# Altium PCB 01156.PcbDoc (part 2 of 3) (continued)
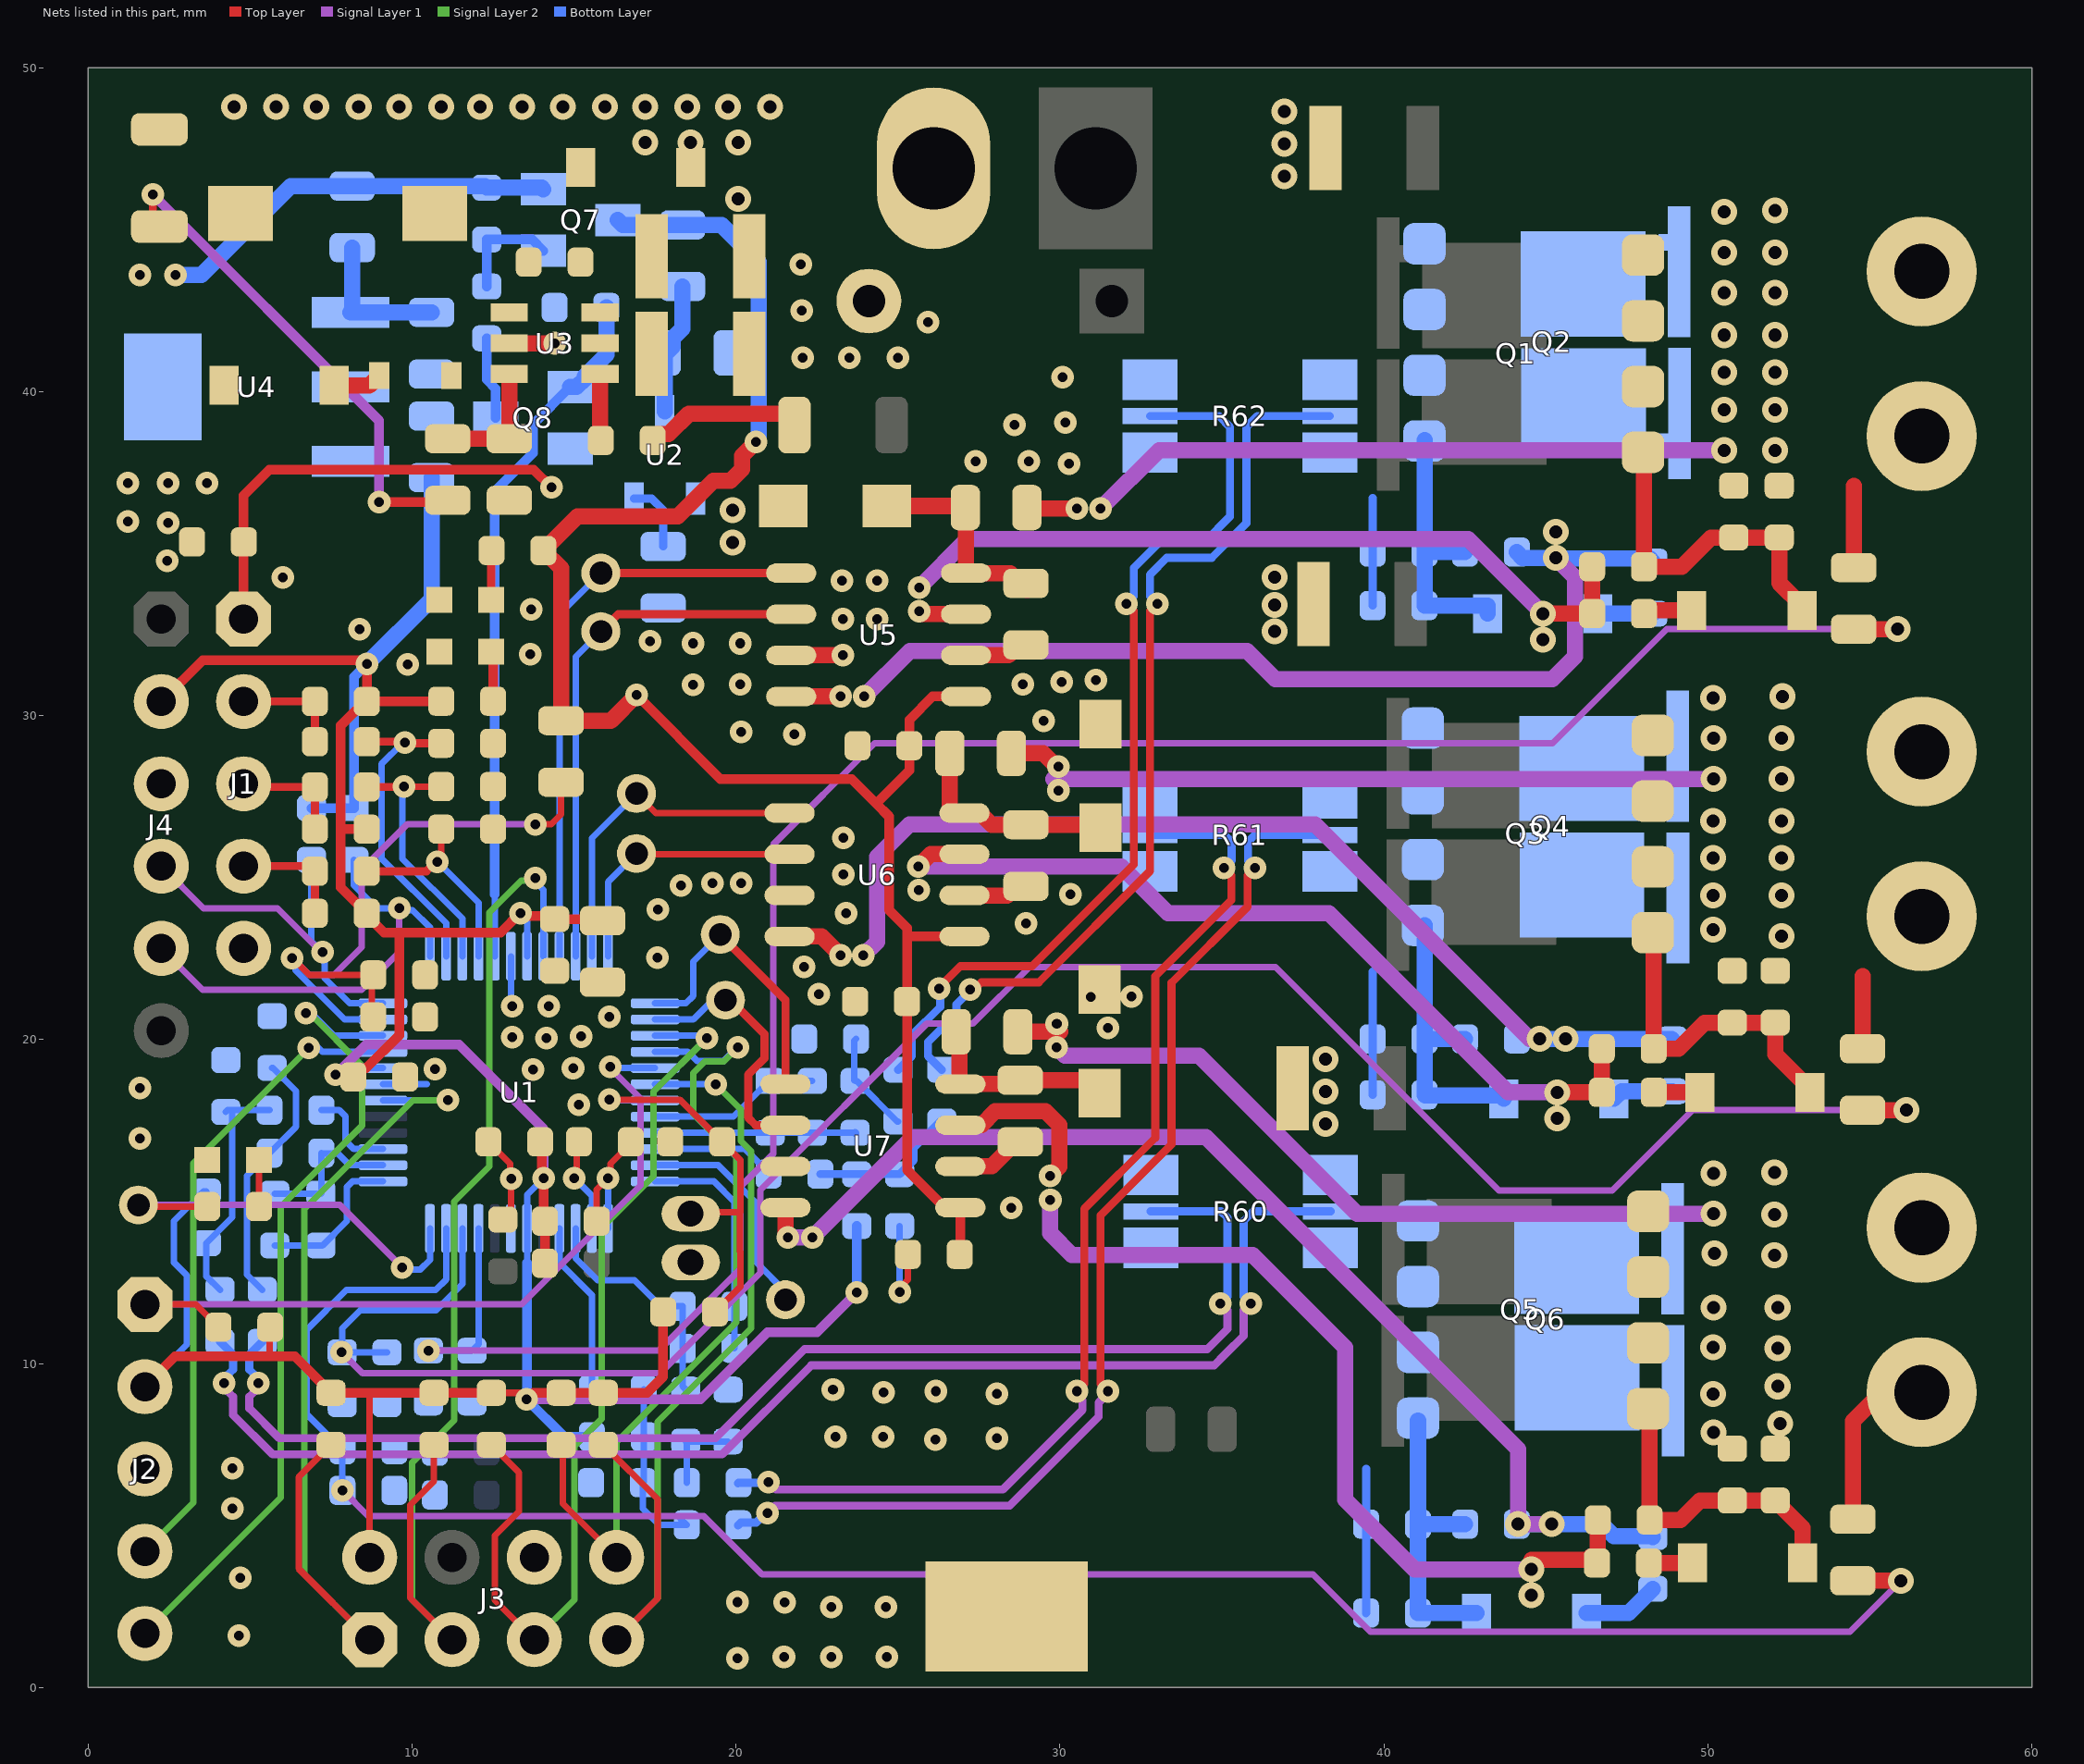
[diagram p4: the nets of this part, all layers, seen from the top]
## Part data (continued)
U1: library part MIC9024, Manufacturer 1="Microchip Technology Inc", Manufacturer Part Number 1=DSPIC33CK32MP105-I/PT, PackageType=TQFP, PackageWidth=7x7x1mm, Supplier Part Number 1=DSPIC33CK32MP105-I/PT-ND, TempRange="-40C to +85C", ADCBit=12, ADC Channels=19, CAN=0, Category=MCHP-Microcontroller, Comparators=3, ComponentLink1Description="SVN Datasheet", ComponentLink1URL=http://www.microchip.com/wwwproducts/dsPIC33CK32MP105, ComponentLink2Description="Local Datasheet", ComponentLink2URL=C:\ALTIUM_WORK\00001_MCHP-CDB\Datasheets\70005363b.pdf, ComponentLink3Description="Open Symbol", ComponentLink3URL="C:\ALTIUM_WORK\00001_MCHP-CDB\Library\LibraryRefs\dsPIC33CK32MP105 TQFP-48.SchLib", ComponentLink4Description="Open Footprint", ComponentLink4URL=C:\ALTIUM_WORK\00001_MCHP-CDB\Library\Footprints\TQFP-48_7x7.PcbLib, ComponentLink5Description="Open Footprint 2", ComponentLink6Description="Open Footprint 3", ComponentLink7Description="Open Footprint 4", DAChannels=1, Description_="MCHP MCU 16-BIT 100MHz 256kB 64kB DSPIC33CK32MP105-I/PT TQFP-48", Dev Tools Status=Design, DigitalTimerQty_8bit=0, DigitalTimerQty_16bit=11, DigitalTimerQty_32bit=5, EEPROM=0, Family="16-bit MCU/DSC", ForceMinOrderQtyMult=True, I2C=3, Input Capture=0, IntroductionDate=2019-02-20, IOPins=16, LeadContent=Pb-FREE, LeadCount=48, MAPS Description="dsPIC33C 100MHz, 32K  Flash, 8K RAM, OpAmps, 12bit ADCs, PWM", MaxSpeed=100, MCHP-ID=MIC9024, MinOrderQty=250, MPC=WACU17Y8XBXF, mtrlcntrlpwmchannels=8, OscillatorMHz="8MHz, 32kHz", Owner="Octavian Stroe", PackingMedia=TRAY, Populated=YES, Program Memory KBytes=32, Program Memory KWords=16, PWM Channels=0, QEI Channels=2, Quantity Override=1, Ram=8192, Revision=1, SegmentLCD=0, SMPS PWM Channels=8, SPI=3, Stage=REL, Status="MCL Design", Supplier 1=Digikey, Symbol="dsPIC33CK32MP105 TQFP-48", Type=16-Bit, USART=3, USBChannels=0
U2: library part MIC9094, "LDO", Manufacturer 1="Microchip Technology Inc", Manufacturer Part Number 1=MCP1754S-5002E/CB, Category=MCHP-Analog, ComponentLink1Description="SVN Datasheet", ComponentLink2Description="Local Datasheet", ComponentLink3Description="Open Symbol", ComponentLink3URL="C:\ALTIUM_WORK\00001_MCHP-CDB\Library\LibraryRefs\MCP1754ST-5002ECB SOT-23A-3.SchLib", ComponentLink4Description="Open Footprint", ComponentLink4URL=C:\ALTIUM_WORK\00001_MCHP-CDB\Library\Footprints\SOT-23A-3.PcbLib, ComponentLink5Description="Open Footprint 2", ComponentLink6Description="Open Footprint 3", ComponentLink7Description="Open Footprint 4", Description_="MCHP ANALOG LDO 5V MCP1754S-5002E/CB SOT-23A-3", Dev Tools Status=Design, MCHP-ID=MIC9094, Owner="Octavian Stroe", Populated=YES, Quantity Override=1, Revision=1, Status="MCL Design", Supplier 1="Microchip Technology Inc", Supplier Part Number 1=MCP1754S-5002E/CB, Symbol="MCP1754ST-5002ECB SOT-23A-3", Type=LDO
U3: library part MIC6150, "DC-DC Convertor", Manufacturer 1="Microchip Technology", Manufacturer Part Number 1=MCP16331T-E/CH, Category=MCHP-Analog, ComponentLink1Description="SVN Datasheet", ComponentLink2Description="Local Datasheet", ComponentLink3Description="Open Symbol", ComponentLink3URL="C:\ALTIUM_WORK\00001_MCHP-CDB\Library\LibraryRefs\MCP16331 SOT-23-6.SchLib", ComponentLink4Description="Open Footprint", ComponentLink4URL=C:\ALTIUM_WORK\00001_MCHP-CDB\Library\Footprints\SOT-23-6.PcbLib, ComponentLink5Description="Open Footprint 2", ComponentLink6Description="Open Footprint 3", ComponentLink7Description="Open Footprint 4", Description_="MCHP ANALOG SWITCHER Buck 2 to 24V MCP16331T-E/CH SOT-23-6", Dev Tools Status=Production, MCHP-ID=MIC6150, Owner="Bogdan Popescu", Populated=YES, Quantity Override=1, Revision=1, Status="MCL Design", Supplier 1="Microchip Technology", Supplier Part Number 1=MCP16331T-E/CH, Symbol="MCP16331 SOT-23-6", Type=Switcher
U4: library part MIC5958, "LDO", Manufacturer 1=Microchip, Manufacturer Part Number 1=MCP1754ST-3302E/DB, PackageType=SOT-223, TempRange="-40C to +125C", Category=MCHP-Analog, ComponentLink1Description="SVN Datasheet", ComponentLink1URL=http://www.microchip.com/wwwproducts/MCP1754S, ComponentLink2Description="Local Datasheet", ComponentLink3Description="Open Symbol", ComponentLink3URL="C:\ALTIUM_WORK\00001_MCHP-CDB\Library\LibraryRefs\MCP1754S SOT-89-3_SOT-223-3.SchLib", ComponentLink4Description="Open Footprint", ComponentLink4URL=C:\ALTIUM_WORK\00001_MCHP-CDB\Library\Footprints\SOT-223-3.PcbLib, ComponentLink5Description="Open Footprint 2", ComponentLink6Description="Open Footprint 3", ComponentLink7Description="Open Footprint 4", Description_="MCHP ANALOG LDO 3.3V MCP1754ST-3302E/DB SOT-223-3", Dev Tools Status=Production, ForceMinOrderQtyMult=True, IntroductionDate=2011-08-16, LeadContent=Pb-FREE, LeadCount=3, MAPS Description="16V, High PSRR, 150mA LDO, Vout=3.3V", MCHP-ID=MIC5958, MinOrderQty=1, MPC=V0AB2YF6XB00, Owner="Tad Ahlvers", PackingMedia=T/R, Populated=YES, Quantity Override=1, Revision=1, Stage=REL, Status="MCL Design", Supplier 1=Microchip, Supplier Part Number 1=MCP1754ST-3302E/DB, Symbol="MCP1754S SOT-89-3_SOT-223-3", tblDeviceFamilyID=3163, Type=LDO
U5 U6 U7: library part MIC6432, "MOSFET DRIVER", Manufacturer 1="Micrel Inc", Manufacturer Part Number 1=MIC4104YM, PackageType=SOIC, PackageWidth=3.90mm(.150in), PeakOutputCurrent=3.0/2.0, Supplier Part Number 1=576-1590-ND, TempRange="-40C to +125C", Category=MCHP-Analog, ComponentLink1Description="SVN Datasheet", ComponentLink1URL=http://www.microchip.com/wwwproducts/MIC4104, ComponentLink2Description="Local Datasheet", ComponentLink2URL=C:\ALTIUM_WORK\00001_MCHP-CDB\Datasheets\mic4103-4.pdf, ComponentLink3Description="Open Symbol", ComponentLink3URL="C:\ALTIUM_WORK\00001_MCHP-CDB\Library\LibraryRefs\MIC4104 SOIC-8.SchLib", ComponentLink4Description="Open Footprint", ComponentLink4URL=C:\ALTIUM_WORK\00001_MCHP-CDB\Library\Footprints\SOIC-8.PcbLib, ComponentLink5Description="Open Footprint 2", ComponentLink6Description="Open Footprint 3", ComponentLink7Description="Open Footprint 4", Description_="MCHP ANALOG FET DRIVER Dual-Non-Inverting MIC4104 SOIC-8", Dev Tools Status=Design, ForceMinOrderQtyMult=False, IntroductionDate=2007-01-08, LeadContent=Pb-FREE, LeadCount=8, MAPS Description="100V HalfBridge MOSFET Driver 3/2A SOURCE/SINK CURRENT TTL INPUT", MCHP-ID=MIC6432, MinOrderQty=1, MPC=2780143BXE01, Owner="Ed Kennedy", PackingMedia=TUBE, Populated=YES, Quantity Override=1, Revision=A, Stage=REL, Status="MCL Design", Supplier 1=Digi-Key, Symbol="MIC4104 SOIC-8", tblDeviceFamilyID=7802, Type="FET Driver"

## Free pads (board coordinates)
  round 2 hole 1: 1(24.1,42.8)
  rect 2x2 hole 1: 1(31.6,42.8)

## Via types
v1: diameter 0.7, hole 0.3, Top Layer to Bottom Layer, tented both sides, 162 vias
v2: diameter 0.8, hole 0.4, Top Layer to Bottom Layer, tented both sides, 86 vias

## Nets (pads, with @x,y where several pads share a name; then routed paths per layer and width w, separated by ;. In a path a pad name is that pad's centre, name@x,y a point inside that pad or via, vN(x,y) a via of type N, cw(c..) or ccw(c..) an arc to the next point about the centre after c; other vN are vias at no path point)
+3V3: C12.2 C24.2 C25.2 C26.2 C27.2 J2.2 J3.2 J4.2 R29.2 R30.2 R31.2 R38.1 R40.2 R44.2 R46.2 R48.2 R52.2 R54.2 R57.2 R58.2 R59.2 R64.1 R70.1 R76.2 R78.2 R79.2 U1.18 U1.32 U1.43 U4.3 | length 117.3
  Top Layer w0.2: 5.6,10.223 R44.2@5.6,11.123 ; J3.2@8.69,4.02 8.69,9.1 ; R57.2@12.443,9.1 13.338,9.1 v1(13.538,8.9) ; R58.2@14.1,13.1 R59.2@14.1,14.4
  Top Layer w0.3: J2.2@1.75,9.29 2.683,10.223 5.6,10.223 6.377,10.223 R31.2@7.5,9.1 8.6,9.1 8.69,9.1 R30.2@10.675,9.1 R57.2@12.443,9.1 ; J4.2@2.26,30.44 3.533,31.713 8.487,31.713 v1(8.6,31.6) R48.2@8.6,30.44 ; v1(7.642,18.919) 7.676,18.884 8.151,18.884 C27.2@8.185,18.85 8.185,18.873 8.431,19.119 8.579,19.119 9.6,20.14 9.6,20.288 9.6,23.309 ; 7.8,26.5 R54.2@8.6,26.5 ; R40.2@10.9,30.449 10.891,30.44 R48.2@8.6,30.44 ; v1(13.35,23.899) 13.427,23.823 14.302,23.823 C25.2@14.4,23.725 15.825,23.725 C24.2@15.875,23.675 ; v1@13.35,23.925 12.734,23.309 9.6,23.309 ; v1(13.538,8.9) 13.738,9.1 R29.2@14.6,9.1 R52.2@15.9,9.1 17.251,9.1 17.75,9.599 R76.2@17.75,11.6 ; C26.2@13.95,16.847 14.003,16.794 14.003,15.778 v1(14.056,15.725) 14.056,14.444 R59.2@14.1,14.4 R58.2@14.1,13.1 ; R29.2@14.551,9.051 R29.2@14.6,9.002 ; R48.2@8.6,30.44 8.6,30.417 8.354,30.171 8.272,30.171 7.8,29.699 7.8,28.5 7.8,27.301 7.8,26.001 7.8,24.701 7.851,24.651 7.851,24.649 R46.2@8.6,23.9 8.6,23.85 9.141,23.309 9.6,23.309
  Signal Layer 1 w0.3: v1(7.642,18.919) 8.573,19.85 11.45,19.85 14.056,17.244 v1(14.056,15.725) ; v1(13.538,8.9) 18.9,8.9 20.975,10.975 22.5,10.975 v1(23.725,12.2)
  Bottom Layer w0.2: J2.2@1.75,9.29 3.05,10.59 3.05,12.725 2.65,13.125 2.65,14.4 3.564,15.314 R64.1@3.65,15.314 ; v1@7.81,19.125 U1.32@9.1,19.125 ; v1(13.35,23.899) 13.55,23.699 U1.43@13.55,22.575 ; 13.55,13.106 U1.18@13.55,14.175 13.55,15.214 14.056,15.719 v1(14.056,15.725)
  Bottom Layer w0.3: R78.2@6.891,27.15 R79.2@8.203,27.15 8.203,31.203 v1(8.6,31.6) ; 13.55,13.106 13.55,8.912 v1(13.538,8.9) 14.688,7.75 R70.1@15.55,7.75 ; v1(23.725,12.2) R38.1@23.725,14.25
  Bottom Layer w0.5: v1(8.6,31.6) 10.6,33.6 C12.2@10.6,37.35
+5V: C46.2 C48.1 J1.1 U2.2 | length 16.1
  Top Layer w0.3: J1.1@4.8,32.98 4.8,36.8 5.6,37.6 13.75,37.6 v1(14.3,37.05) ; C48.1@4.807,35.365 C48.1@4.822,35.35
  Bottom Layer w0.25: U2.2@16.85,36.7 17.4,36.7 17.75,36.35 C46.2@17.75,35.225
+12V: C2.1 D1.2 L1.1 Q7.2 R5.1 R16.1 R77.2 | length 28.2
  Top Layer w0.25: C2.1@2,44.977 v1(2,46.088)
  Top Layer w0.3: v1(8.985,36.6) 11.05,36.6 R5.1@11.1,36.65
  Signal Layer 1 w0.3: v1(2,46.088) 8.985,39.103 v1(8.985,36.6)
  Bottom Layer w0.5: v1(2.7,43.6) 3.5,43.6 6.25,46.35 R16.1@8.15,46.35 12.25,46.35 R77.2@12.3,46.3 14,46.3 Q7.2@14.05,46.25
  other v1: 1.6,43.6
+12V/16: C44.2 R80.1 R81.2 U1.35 | length 20.8
  Top Layer w0.2: v1(6.3,22.526) 6.826,22 C44.2@8.8,22 8.75,21.95 R81.2@8.75,20.7 ; v1(13.8,26.65) 14.3,26.65 14.6,26.95 R80.1@14.6,27.95
  Signal Layer 1 w0.2: v1(6.3,22.526) 6.826,22 7.59,22 8.447,22.857 8.447,25.247 9.85,26.65 v1(13.8,26.65)
  Bottom Layer w0.2: v1(6.3,22.526) 6.396,22.43 6.396,22.145 7.916,20.625 U1.35@9.1,20.625
+12V_SW: C32.2 C33.2 C36.2 Q7.3 R47.2 R75.1 R80.2 U5.1 U6.1 U7.1 | length 57.9
  Top Layer w0.3: v1(16.925,30.638) 19.513,28.05 23.564,28.05 24.321,27.293 ; U7.1@26.43,14.82 25.275,15.975 C33.2@25.275,21.182 25.275,23.195 ; C36.2@26.925,13.22 U7.1@26.925,14.82 ; U6.1@27.1,23.195 25.275,23.195 ; U5.1@27.1,30.595 26.073,30.595 25.35,29.872 25.35,28.322 24.321,27.293 ; 24.321,27.293 24.718,26.895 24.718,24.007 25.275,23.45 25.275,23.195
  Top Layer w0.5: v1(16.925,30.638) 16.137,29.85 R80.2@14.6,29.85 14.6,34.55 R47.2@14.05,35.1 15.1,36.15 18.2,36.15 19.3,37.25 19.828,37.25 20.181,37.604 20.181,38.025 v1(20.607,38.45) ; U7.1@26.43,14.82 U7.1@26.925,14.82
  Bottom Layer w0.5: Q7.3@16.35,45.3 16.5,45.15 R75.1@18.35,45.15 19.55,45.15 20.7,44 20.7,38.543 v1(20.607,38.45)
\FAULT: R45.2 TP1.1 U1.24 | length 13.1
  Top Layer w0.2: TP1.1@1.55,14.9 1.6,14.85 R45.2@3.676,14.85
  Signal Layer 1 w0.2: TP1.1@1.55,14.9 7.766,14.9 v1(9.691,12.975)
  Bottom Layer w0.2: v1(9.691,12.975) 9.766,12.9 10.25,12.9 10.55,13.2 U1.24@10.55,14.175
\MCLR: J2.1 R44.1 U1.5 | length 24.8
  Top Layer w0.2: J2.1@1.75,11.83 3.315,11.83 R44.1@4.022,11.123
  Signal Layer 1 w0.2: J2.1@1.75,11.83 13.38,11.83 17.05,15.5 17.05,18.183 16.119,19.115 v1(16.119,19.17)
  Bottom Layer w0.2: v1(16.119,19.17) 16.163,19.125 U1.5@17.5,19.125
A: C8.1 J6.1 Q1.2 Q1.3 Q1.4 Q2.5@46.15,43.325 Q2.5@46.159,39.725 Q2.5@48.63,38.454 Q2.5@48.622,44.613 Q2.5@49.115,43.706 Q2.5@49.123,39.326 R7.1 R13.2 R27.2 | length 24.1
  Top Layer w0.5: R13.2@28.95,36.4 v1(30.525,36.4) ; R27.2@54.5,34.575 54.5,37.1
  Signal Layer 1 w0.5: v1(31.255,36.394) 33.056,38.195 v2(50.5,38.195)
  other v2: 52.075,38.195 50.5,39.45 52.075,39.45 50.5,40.605 52.075,40.605 50.5,41.75 52.075,41.75 50.5,43.05 52.075,43.05 50.5,44.305 52.075,44.305 50.5,45.555 52.075,45.6
AUX3: J3.5 R57.1 U1.3 | length 29.6
  Top Layer w0.2: R57.1@12.443,7.5 13.3,6.643 13.3,5.443 12.55,4.693 12.55,2.7 J3.5@13.77,1.48
  Signal Layer 2 w0.2: J3.5@13.77,1.48 15.006,2.716 15.006,7.456 15.85,8.3 15.85,14.19 17.45,15.79 17.45,18.4 v1(19.1,20.05)
  Bottom Layer w0.2: U1.3@17.5,20.125 19.025,20.125 v1(19.1,20.05)
AUX4: J3.8 R29.1 U1.4 | length 25.8
  Top Layer w0.2: R29.1@14.6,7.5 14.65,7.45 14.65,5.68 J3.8@16.31,4.02
  Signal Layer 2 w0.2: J3.8@16.31,4.02 16.31,7.577 20.012,11.279 20.012,16.371 18.675,17.708 18.675,18.975 19.034,19.334 19.621,19.334 v1(20.05,19.763)
  Bottom Layer w0.2: U1.4@17.5,19.625 18.514,19.625 18.789,19.35 19.623,19.35 20.036,19.763 v1(20.05,19.763)
AUX5: J3.3 R30.1 U1.44 | length 35.2
  Top Layer w0.2: R30.1@10.675,7.5 10.675,6.371 9.941,5.637 9.941,2.769 J3.3@11.23,1.48
  Signal Layer 2 w0.2: J3.3@11.23,1.48 9.995,2.715 9.995,6.945 11.3,8.25 11.3,15 12.385,16.085 12.385,23.924 13.368,24.908 13.712,24.908 v1(13.8,24.995)
  Bottom Layer w0.2: v1(13.8,24.995) 13.8,24.878 14.05,24.628 U1.44@14.05,22.575
AUX6: J3.1 R31.1 U1.30 | length 29.3
  Top Layer w0.2: R31.1@7.5,7.5 6.495,6.495 6.495,3.675 J3.1@8.69,1.48
  Signal Layer 2 w0.2: J3.1@8.69,1.48 6.67,3.5 6.67,14.77 10.025,18.125 11.092,18.125 v1(11.1,18.133)
  Bottom Layer w0.2: U1.30@9.1,18.125 11.092,18.125 v1(11.1,18.133)
AUX7: J3.7 R52.1 U1.6 | length 28.4
  Top Layer w0.2: R52.1@15.9,7.5 17.581,5.819 17.581,2.751 J3.7@16.31,1.48
  Signal Layer 2 w0.2: J3.7@16.31,1.48 17.581,2.751 17.581,8.211 20.462,11.093 20.462,16.557 20.15,16.869 20.15,17.84 19.375,18.615 v1(19.375,18.625)
  Bottom Layer w0.2: U1.6@17.5,18.625 v1(19.375,18.625)
B: C9.1 J7.1 Q3.2 Q3.3 Q3.4 Q4.5@46.1,28.375 Q4.5@46.109,24.775 Q4.5@48.58,23.504 Q4.5@48.572,29.663 Q4.5@49.065,28.756 Q4.5@49.073,24.376 R8.1 R14.2 R26.2 | length 24.3
  Top Layer w0.5: R14.2@28.5,28.839 29.486,28.839 v1@29.95,28.375 ; R26.2@54.775,19.725 54.775,21.963
  Signal Layer 1 w0.5: 29.8,28.05 29.95,28.05 v2(50.175,28.05)
  other v1: 29.944,27.695 29.95,28.425
  other v2: 52.275,23.195 50.159,23.395 50.159,24.45 52.275,24.45 50.159,25.605 52.275,25.605 50.159,26.75 52.275,26.75 52.275,28.05 50.175,29.305 52.275,29.305 50.159,30.555 52.3,30.6
BEMF_A: C16.2 R27.1 R34.2 U1.21 | length 68.2
  Top Layer w0.5: R27.1@54.5,32.675 v2(55.85,32.675)
  Signal Layer 1 w0.2: v1(10.5,10.4) 17.607,10.4 20.129,12.922 20.129,15.459 21.142,16.472 21.142,26.017 24.275,29.15 45.2,29.15 48.725,32.675 v2(55.85,32.675)
  Bottom Layer w0.2: v1(10.5,10.4) C16.2@11.85,10.4 12.05,10.6 U1.21@12.05,14.175
BEMF_B: C38.2 R26.1 R33.2 U1.22 | length 68.6
  Top Layer w0.5: R26.1@54.775,17.825 v2(56.125,17.825)
  Signal Layer 1 w0.2: v1(7.822,10.35) 8.472,9.7 15.04,9.7 17.649,9.7 20.75,12.801 20.75,15.361 25.882,20.493 27.3,20.493 29.054,22.247 36.653,22.247 43.55,15.35 47.05,15.35 49.525,17.825 v2(56.125,17.825)
  Bottom Layer w0.2: C38.2@9.222,10.35 v1(7.822,10.35) 7.842,10.37 7.842,11.092 8.4,11.65 10.738,11.65 11.55,12.462 U1.22@11.55,14.175
BEMF_C: C17.2 R28.1 R35.2 U1.23 | length 63.8
  Top Layer w0.5: R28.1@54.475,3.3 v2@55.825,3.3
  Signal Layer 1 w0.2: v1(7.85,6.09) 8.64,5.3 19,5.3 20.8,3.5 37.805,3.5 39.575,1.73 54.38,1.73 v2(55.95,3.3)
  Bottom Layer w0.2: v1(7.85,6.09) C17.2@7.85,7.34 7.84,7.35 6.75,8.44 6.75,11.05 7.975,12.275 10.727,12.275 11.05,12.598 U1.23@11.05,14.175
C: C10.1 J8.1 Q5.2 Q5.3 Q5.4 Q6.5@45.95,13.164 Q6.5@45.959,9.564 Q6.5@48.43,8.293 Q6.5@48.422,14.452 Q6.5@48.915,13.544 Q6.5@48.923,9.165 R9.1 R15.2 R28.2 | length 29.2
  Top Layer w0.5: R15.2@28.7,20.243 v1@30,20.243 ; R28.2@54.475,5.2 54.475,8.225 J8.1@56.25,10
  Signal Layer 1 w0.5: v1(29.894,19.763) 30.144,19.513 34.287,19.513 39.17,14.63 v2(50.175,14.63)
  other v1: 29.9,20.493
  other v2: 50.175,7.883 52.225,8.15 50.159,9.071 52.15,9.3 52.15,10.473 50.159,10.5 50.175,11.728 52.15,11.728 52.05,13.35 50.2,13.4 52.05,14.605 50.175,15.88 52.05,15.9
CS1_N: R53.2 R62.3 | length 29
  Top Layer w0.25: v1(26.262,21.577) 26.262,21.609 26.925,22.272 29.134,22.272 32.275,25.412 32.275,33.233 v1(32.05,33.458)
  Bottom Layer w0.25: R53.2@25,19.075 25.009,19.075 25.425,19.491 25.425,20.136 26.301,21.012 26.301,21.538 v1(26.262,21.577) ; v1(32.05,33.458) 32.275,33.683 32.275,34.562 33.088,35.375 34.475,35.375 35.25,36.15 35.25,38.909 34.909,39.25 R62.3@32.775,39.25
CS1_P: R42.2 R62.4 | length 28.9
  Top Layer w0.25: v1(27.225,21.547) 27.347,21.547 27.572,21.772 29.342,21.772 32.775,25.205 32.775,33.233 v1(33,33.458)
  Bottom Layer w0.25: R42.2@26.35,19.075 26.341,19.075 25.925,19.491 25.925,19.929 26.801,20.805 26.801,21.092 27.225,21.515 v1(27.225,21.547) ; v1(33,33.458) 32.775,33.683 32.775,34.355 33.295,34.875 34.682,34.875 35.604,35.796 35.75,35.943 35.75,38.909 36.091,39.25 R62.4@38.325,39.25
CS2_N: R61.3 R72.2 | length 34.3
  Top Layer w0.25: v1(30.525,9.15) 30.75,9.375 30.75,14.782 32.942,16.975 32.942,21.963 35.292,24.313 35.292,25.075 v1(35.067,25.3) v1@35.217,25.3
  Signal Layer 1 w0.25: v1(21.004,6.342) 21.229,6.117 28.237,6.117 30.691,8.571 30.691,8.862 30.525,9.028 v1(30.525,9.15)
  Bottom Layer w0.25: R72.2@20.058,6.308 R72.2@20.075,6.325 20.988,6.325 v1(21.004,6.342) ; R61.3@32.775,26.322 35.078,26.322 35.3,26.1 35.3,25.533 v1(35.067,25.3)
CS2_P: R61.4 R74.2 | length 35.3
  Top Layer w0.25: v1(31.475,9.15) 31.25,9.375 31.25,14.575 33.442,16.768 33.442,21.756 35.792,24.106 35.792,25.075 v1(36.017,25.3) v1@35.867,25.3
  Signal Layer 1 w0.25: v1(20.974,5.392) 21.198,5.617 28.444,5.617 31.191,8.364 31.191,8.797 31.475,9.081 v1(31.475,9.15)
  Bottom Layer w0.25: R74.2@20.058,5.008 R74.2@20.075,5.025 20.149,5.099 20.63,5.099 20.924,5.392 v1(20.974,5.392) ; v1(36.017,25.3) 35.8,25.517 35.8,26.1 36.022,26.322 R61.4@38.325,26.322
CS3_N: R60.3 R66.2 | length 40.5
  Signal Layer 1 w0.25: v1(5.248,9.4) 5.248,9.254 4.973,8.979 4.973,8.625 5.898,7.7 19.365,7.7 22.115,10.45 34.55,10.45 35.167,11.067 35.167,11.65 34.967,11.85 v1(34.942,11.85)
  Bottom Layer w0.25: v1(5.248,9.4) 5.248,9.546 4.973,9.821 4.973,10.283 5.366,10.675 R66.2@5.375,10.675 ; R60.3@32.8,14.7 34.975,14.7 35.167,14.508 35.167,12.075 v1(34.942,11.85)
CS3_P: R60.4 R68.2 | length 42.4
  Signal Layer 1 w0.25: v1(4.198,9.4) 4.198,9.254 4.473,8.979 4.473,8.418 5.691,7.2 19.572,7.2 22.322,9.95 34.757,9.95 35.104,10.296 35.667,10.86 35.667,11.65 35.867,11.85 v1(35.892,11.85)
  Bottom Layer w0.25: R68.2@4.071,10.675 4.081,10.675 4.473,10.283 4.473,9.821 4.198,9.546 v1(4.198,9.4) ; v1(35.892,11.85) 35.667,12.075 35.667,14.405 35.962,14.7 R60.4@38.35,14.7
DAC: DAC.1 U1.11 | length 7
  Bottom Layer w0.2: U1.11@17.5,16.125 19.454,16.125 20.647,14.932 20.647,13.106 21.525,12.228 DAC.1@21.525,11.975
GND: C2.2 C6.1 C7.1 C11.1 C12.1 C16.1 C17.1 C19.1 C20.2 C22.1 C23.2 C24.1 C25.1 C26.1 C27.1 C29.1 C30.1 C31.2 C32.1 C33.1 C34.1 C36.1 C38.1 C40.1 C41.1 C42.1 C43.1 C44.1 C45.1 C46.1 C48.2 C49.2 D3.1 D5.1 D11.2 D12.2 D13.2 D15.1 D16.1 J1.5 J2.3 J3.6 J4.3 J5.2 pad.1@24.1,42.8 Q8.2 R6.2 R33.1 R34.1 R35.1 R37.1 R60.1 R61.1 R62.1 R81.1 R83.1 TH1.1 TP11.1 U1.14 U1.19 U1.31 U1.42 U2.1 U3.2 U4.2 U5.7 U6.7 U7.7 | length 16.5
  Top Layer w0.2: C26.1@12.35,16.847 13.022,16.175 13.022,15.753 v1(13.061,15.714) ; C34.1@12.8,14.45 13.05,14.7 v1@13.05,15.725 ; v1(15.006,15.725) 15.078,15.797 15.078,16.775 C30.1@15.15,16.847 ; v1(25.05,12.21) 25.05,12.338 25.304,12.593 C36.1@25.304,13.375
  Top Layer w0.5: U3.2@13,41.5 v1(14.4,41.5) ; U5.7@21.725,31.875 v1(23.3,31.875)
  Bottom Layer w0.2: U1.31@9.1,18.625 10.45,18.625 ; U1.19@13.05,14.21 13.05,15.56 13.061,15.571 v1(13.061,15.714) ; v1@13.05,21.225 U1.42@13.05,22.575 ; v1(15.006,15.725) 15.55,15.181 U1.14@15.55,14.175 ; v1@25.05,11.943 v1(25.05,12.21) C22.1@25.05,14.25
  other v1: 20.036,0.905 21.477,0.95 22.934,0.95 24.649,0.95 4.65,1.6 22.934,2.485 24.626,2.485 20.036,2.64 21.495,2.63 4.695,3.39 4.45,5.537 4.45,6.767 26.15,7.662 28.05,7.694 23.069,7.75 24.534,7.75 28.05,9.071 24.554,9.11 26.17,9.15 22.99,9.2 28.5,14.81 1.6,16.955 15.15,18 1.6,18.515 13.728,19.075 10.7,19.1 14.967,19.125 14.142,20.05 13.088,20.075 15.212,20.1 31.475,20.364 16.089,20.7 13.085,21.041 14.214,21.041 30.95,21.325 32.205,21.336 22.55,21.4 22.1,22.245 17.571,22.53 28.95,23.596 23.397,23.899 17.58,24.019 30.322,24.488 18.298,24.766 19.275,24.827 20.15,24.827 23.317,25.107 23.317,26.225 21.8,29.435 20.15,29.495 29.5,29.85 18.675,30.953 20.129,30.967 28.85,30.965 30.05,31.046 31.1,31.1 9.868,31.579 13.647,31.9 18.675,32.235 20.129,32.235 17.35,32.3 8.385,32.675 23.3,32.982 24.35,32.98 13.678,33.288 23.275,34.171 24.35,34.171 6.015,34.275 2.44,34.783 2.462,35.959 1.232,35.997 1.232,37.177 2.462,37.177 3.661,37.177 30.284,37.775 27.395,37.85 29.034,37.85 28.6,38.975 30.159,39.05 30.085,40.45 22.05,41.05 23.5,41.05 25,41.05 25.922,42.15 22.029,42.502 22,43.93
  other v2: 19.892,35.35 19.892,36.35 20.07,45.95 17.2,47.7 18.6,47.7 20.07,47.7 4.505,48.8 5.8,48.8 7.05,48.8 8.35,48.8 9.605,48.8 10.9,48.8 12.1,48.8 13.4,48.8 14.655,48.8 15.95,48.8 17.2,48.8 18.495,48.8 19.75,48.8 21.05,48.8
HALL1: C43.2 R49.2 U1.38 | length 10.1
  Top Layer w0.25: R49.2@8.6,29.17 R49.2@8.6,29.2 9.743,29.2 v1(9.776,29.167) 9.793,29.15 C43.2@10.9,29.15
  Bottom Layer w0.2: v1@9.714,29.167 9.05,28.504 9.05,25.599 11.05,23.599 U1.38@11.05,22.575
  Bottom Layer w0.25: v1@9.714,29.167 v1(9.776,29.167)
HALL2: C42.2 R50.2 U1.39 | length 8.4
  Top Layer w0.2: v1@9.7,27.815 C42.2@10.9,27.815
  Top Layer w0.25: R50.2@8.6,27.8 9.735,27.8 v1(9.75,27.815)
  Bottom Layer w0.2: v1(9.75,27.815) 9.75,27.775 9.7,27.725 9.7,25.586 11.55,23.736 U1.39@11.55,22.575
HALL3: C41.2 R51.2 U1.40 | length 6.8
  Top Layer w0.2: v1(10.781,25.494) 10.781,25.63 10.9,25.749 C41.2@10.9,26.5
  Top Layer w0.25: R51.2@8.6,25.2 10.439,25.2 10.734,25.494 v1(10.781,25.494)
  Bottom Layer w0.2: v1(10.781,25.494) 12.05,24.226 U1.40@12.05,22.575
HSA: R2.1 R10.1 U5.3 | length 25.3
  Top Layer w0.5: v1(25.65,33.225) 25.74,33.135 U5.3@27.1,33.135 ; v2(44.9,33.15) R10.1@46.425,33.15 R2.1@46.425,34.6
  Signal Layer 1 w0.5: v1(25.65,33.225) v1@25.65,33.26 ; v1@25.65,33.955 27.145,35.45 42.6,35.45 v2(44.9,33.15)
  other v1: 25.656,33.955
  other v2: 44.9,32.35
HSB: R3.1 R11.1 U6.3 | length 27
  Top Layer w0.5: v1(25.625,25.35) 26.004,25.729 U6.3@27.05,25.729 ; v2@45.35,18.45 v2(45.35,18.375) R11.1@46.725,18.375 R3.1@46.725,19.725 R3.1@46.725,19.85
  Signal Layer 1 w0.5: v1@25.725,25.35 31.895,25.35 33.34,23.905 38.295,23.905 43.825,18.375 v2(45.35,18.375)
  other v1: 25.644,24.62
  other v2: 45.35,17.575
HSC: R4.1 R12.1 U7.3 | length 31.6
  Top Layer w0.5: U7.3@26.885,17.35 26.91,17.375 U7.3@26.925,17.36 27.575,17.36 27.575,17.373 28,17.797 29.55,17.797 29.975,17.373 29.975,16.075 v1(29.69,15.79) ; v2@44.55,3.95 46.285,3.95 46.38,4.045 R12.1@46.575,3.85 46.6,3.875 R4.1@46.6,5.175
  Signal Layer 1 w0.5: v1(29.7,15.05) 29.7,14.02 30.37,13.35 35.95,13.35 38.8,10.5 38.8,5.8 40.95,3.65 v2(44.55,3.65)
  other v2: 44.55,2.85
LSA: R17.1 R23.1 U5.8 | length 32.4
  Top Layer w0.5: U5.8@21.65,30.6 v1(23.225,30.6)
  Signal Layer 1 w0.5: v1@23.961,30.6 25.361,32 35.775,32 36.65,31.125 45.2,31.125 45.9,31.825 45.9,34.275 v2(45.3,34.875)
  Bottom Layer w0.5: R17.1@44.1,35.05 44.275,34.875 v2(45.3,34.875) 45.325,34.85 48.205,34.85 R23.1@48.3,34.755
  other v1: 23.955,30.594
  other v2: 45.3,35.675
LSB: R18.1 R24.1 U6.8 | length 32.8
  Top Layer w0.5: U6.8@21.65,23.189 22.636,23.189 v1(23.225,22.6)
  Signal Layer 1 w0.5: v1(23.931,22.6) 24.35,23.019 24.35,25.65 25.35,26.65 37.875,26.65 v2@44.5,20.025
  Bottom Layer w0.5: R18.1@44.5,20.025 v2(45.6,20.025) 46.575,20.025 48.883,20.025 R24.1@48.9,20.008
  other v2: 44.8,20.025
LSC: R19.1 R25.1 U7.8 | length 36.5
  Top Layer w0.5: U7.8@21.525,14.82 21.525,13.975 v1(21.6,13.9)
  Signal Layer 1 w0.5: v1(21.6,13.9) 21.605,13.895 v1@22.35,13.895 ; v1@22.355,13.895 v1(22.35,13.9) 25.45,17 34.5,17 44.14,7.36 v2(44.14,5.05) v2(45.175,5.05)
  Bottom Layer w0.5: R19.1@44.1,5.05 v2(44.14,5.05) v2(45.175,5.05) 46.725,5.05 47.1,4.675 48.275,4.675 R25.1@48.3,4.65
NetC1_1: C1.1 D3.2 L1.2 U3.6
NetC1_2: C1.2 D2.2 U3.1
NetC3_1: C3.1 C13.1 Q2.2 Q2.3 Q2.4 R20.1 R62.2 | length 3.3
  Bottom Layer w0.25: R20.1@39.65,33.4 C13.1@39.65,35.05 39.65,36.722
  other v2: 36.925,46.65 36.925,47.655 36.925,48.65
NetC4_1: C4.1 C14.1 Q4.2 Q4.3 Q4.4 R21.1 R61.2 | length 3.8
  Bottom Layer w0.25: R21.1@39.65,18.3 C14.1@39.65,20.025 39.65,22.097
  other v2: 36.627,32.6 36.625,33.425 36.627,34.275
NetC5_1: C5.1 C15.1 Q6.2 Q6.3 Q6.4 R22.1 R60.2 | length 4.5
  Bottom Layer w0.25: R22.1@39.445,2.3 39.45,2.306 C15.1@39.45,5.05 39.45,6.75
  other v2: 38.2,17.4 38.2,18.395 38.2,19.4
NetC6_2: C6.2 C7.2 R1.2 R32.1 U3.5 | length 5
  Top Layer w0.5: R1.2@17.425,38.5 17.425,38.55 17.575,38.7 17.92,38.7 18.55,39.33 21.55,39.33 21.8,39.08 R32.1@21.8,38.975
NetC8_2: C8.2 D4.1 Q1.1 R2.2 R7.2 | length 10.6
  Top Layer w0.5: Q1.1@48.025,38.15 R2.2@48.025,34.6 49.2,34.6 50.1,35.5 C8.2@50.8,35.5 R7.2@52.2,35.5 52.2,34.1 52.9,33.4 D4.1@52.9,33.25
NetC9_2: C9.2 D14.1 Q3.1 R3.2 R8.2 | length 10.3
  Top Layer w0.5: Q3.1@48.29,23.3 48.325,23.265 R3.2@48.325,19.725 49.1,19.725 49.9,20.525 C9.2@50.75,20.525 R8.2@52.075,20.525 52.075,19.55 53.15,18.475 D14.1@53.15,18.375
NetC10_2: C10.2 D6.1 Q5.1 R4.2 R9.2 | length 9.9
  Top Layer w0.5: Q5.1@48.215,8.629 48.2,8.614 R4.2@48.2,5.175 49.15,5.175 49.75,5.775 C10.2@50.75,5.775 R9.2@52.075,5.775 52.925,4.925 D6.1@52.925,3.85
NetC11_2: C11.2 R16.2 U4.1 | length 4.5
  Bottom Layer w0.5: R16.2@8.15,44.45 8.15,42.5 U4.1@8.1,42.45 C11.2@10.6,42.45
NetC13_2: C13.2 D7.1 Q2.1 R17.2 R20.2 | length 8.6
  Bottom Layer w0.5: Q2.1@41.25,38.51 C13.2@41.25,35.05 ; R17.2@42.5,35.05 C13.2@41.25,35.05 ; D7.1@43.2,33.15 43.2,33.4 R20.2@41.25,33.4 C13.2@41.25,35.05
NetC14_2: C14.2 D8.1 Q4.1 R18.2 R21.2 | length 9
  Bottom Layer w0.5: Q4.1@41.25,23.537 C14.2@41.25,20.025 ; R18.2@42.5,20.025 C14.2@41.25,20.025 ; D8.1@43.7,18.173 43.598,18.275 41.275,18.275 R21.2@41.25,18.3 C14.2@41.25,20.025
NetC15_2: C15.2 D9.1 Q6.1 R19.2 R22.2 | length 9.2
  Bottom Layer w0.5: Q6.1@41.05,8.243 C15.2@41.05,5.05 ; R19.2@42.5,5.05 C15.2@41.05,5.05 ; D9.1@42.85,2.3 R22.2@41.045,2.3 41.05,2.306 C15.2@41.05,5.05
NetC18_2: C18.2 U5.2 | length 2
  Top Layer w0.5: U5.2@27.1,31.865 28.415,31.865 28.885,32.335 C18.2@28.95,32.335
NetC20_1: C20.1 R39.2 R53.1 | length 3.2
  Bottom Layer w0.2: C20.1@23.7,20.025 23.65,19.975 23.65,18.75 R39.2@23.675,18.725 23.725,18.725 24.975,17.475 R53.1@25,17.475
NetC22_2: C22.2 R38.2 R41.2 R42.1 | length 4.7
  Bottom Layer w0.25: R41.2@22.6,15.85 R38.2@23.8,15.85 ; R38.2@23.725,15.85 C22.2@25.05,15.85 25.485,16.285 25.485,16.66 26.3,17.475 R42.1@26.35,17.475
NetC23_1: C23.1 R65.2 R66.1 | length 8
  Bottom Layer w0.2: R66.1@5.375,12.275 4.9,12.75 4.9,15.8 R65.2@5.6,16.5 6.41,17.31 6.41,18.415 5.7,19.125 C23.1@5.675,19.125
NetC29_2: C29.2 R64.2 R67.2 R68.1 | length 7.4
  Bottom Layer w0.2: R68.1@4.071,12.275 3.65,12.696 R64.2@3.65,13.714 4.45,14.514 C29.2@4.45,17.825 ; C29.2@4.25,17.771 4.304,17.825 C29.2@4.45,17.825 ; R67.2@5.6,17.825 C29.2@4.45,17.825
NetC30_2: C30.2 R59.1 U1.13 | length 4.3
  Top Layer w0.2: R59.1@15.7,14.4 15.7,15.375 v1(16.05,15.725) ; v1@16.124,15.799 16.124,16.171 16.75,16.797 C30.2@16.75,16.847
  Bottom Layer w0.2: U1.13@16.05,14.175 v1(16.05,15.725)
NetC31_1: C31.1 R71.2 R72.1 | length 2.6
  Bottom Layer w0.2: R72.1@18.475,6.325 18.475,7.575 R71.2@18.45,7.6 C31.1@19.75,7.6
NetC35_2: C35.2 U6.2 | length 1.9
  Top Layer w0.5: U6.2@27.05,24.459 27.056,24.453 28.365,24.453 C35.2@28.8,24.888
NetC37_2: C37.2 U7.2 | length 2.2
  Top Layer w0.5: U7.2@26.925,16.09 27.89,16.09 28.725,16.925 C37.2@28.725,17
NetC40_2: C40.2 R70.2 R73.2 R74.1 | length 5.5
  Bottom Layer w0.2: R73.2@17.15,9.2 R70.2@17.15,7.75 17.15,6.35 C40.2@17.125,6.325 17.125,5.523 17.623,5.025 R74.1@18.475,5.025 R74.1@18.3,5.2
NetC45_2: C45.2 R75.2 U2.3 | length 4.1
  Bottom Layer w0.5: U2.3@17.8,39.4 17.8,41.15 18.05,41.4 18.05,41.65 18.35,41.95 R75.2@18.35,43.25
NetD1_1: D1.1 D2.1 | length 1.5
  Top Layer w0.5: D1.1@7.6,40.2 8.685,40.2 D2.1@8.985,40.5
NetD4_2: D4.2 R10.2 | length 1.5
  Top Layer w0.5: R10.2@48.025,33.15 48.125,33.25 D4.2@49.5,33.25
NetD6_2: D6.2 R12.2 | length 1.3
  Top Layer w0.5: R12.2@48.175,3.85 D6.2@49.525,3.85
NetD7_2: D7.2 R23.2 | length 1.7
  Bottom Layer w0.5: D7.2@46.6,33.15 48.295,33.15 R23.2@48.3,33.155
NetD8_2: D8.2 R24.2 | length 1.9
  Bottom Layer w0.5: D8.2@47.1,18.173 47.335,18.408 R24.2@48.9,18.408
NetD9_2: D9.2 R25.2 | length 2.4
  Bottom Layer w0.5: D9.2@46.25,2.3 47.55,2.3 R25.2@48.3,3.05
NetD11_1: D11.1 R45.1 | length 1.4
  Top Layer w0.2: D11.1@5.273,16.293 5.276,16.29 R45.1@5.276,14.85
NetD12_1: D12.1 R40.1 | length 1.6
  Top Layer w0.3: D12.1@12.443,31.983 12.5,31.926 R40.1@12.5,30.449
NetD13_1: D13.1 R47.1 | length 1.5
  Top Layer w0.25: D13.1@12.443,33.575 R47.1@12.443,35.1
NetD14_2: D14.2 R11.2 | length 1.4
  Top Layer w0.5: R11.2@48.325,18.375 D14.2@49.75,18.375
NetJ1_2: J1.2 R48.1 R49.1 | length 3.5
  Top Layer w0.25: J1.2@4.786,30.44 R48.1@7,30.44 R49.1@7,29.2
NetJ1_3: J1.3 R50.1 R54.1 | length 3.5
  Top Layer w0.25: J1.3@4.8,27.8 R50.1@7,27.8 R54.1@7,26.5
NetJ1_4: J1.4 R46.1 R51.1 | length 3.6
  Top Layer w0.25: J1.4@4.8,25.36 6.84,25.36 R51.1@7,25.2 R46.1@7,23.9
NetQ7_1: Q7.1 R77.1 R82.2 | length 3.3
  Bottom Layer w0.3: R82.2@12.3,43.25 R77.1@12.3,44.7 13.7,44.7 Q7.1@14.05,44.35
NetQ8_3: Q8.3 R82.1 | length 2.6
  Bottom Layer w0.3: R82.1@12.3,41.65 12.3,40.375 12.578,40.097 Q8.3@12.578,39.2
NetR1_1: R1.1 U3.4 | length 2
  Top Layer w0.5: R1.1@15.8,38.5 U3.4@15.8,40.55
NetR5_2: R5.2 R6.1 U3.3 | length 3.9
  Top Layer w0.5: R5.2@11.1,38.55 R6.1@13,38.55 U3.3@13,40.55
OA1_IN+: R41.1 U1.10 | length 3.8
  Bottom Layer w0.2: U1.10@17.5,16.625 20.275,16.625 R41.1@21,15.9
OA1_IN-: C21.1 R39.1 R43.1 U1.9 | length 6.2
  Bottom Layer w0.2: U1.9@17.5,17.125 18.15,17.125 R43.1@22.35,17.125 R39.1@23.675,17.125
OA1_OUT: C21.2 R43.2 U1.8 | length 5.3
  Bottom Layer w0.2: U1.8@17.5,17.625 18.15,17.625 19.925,17.625 21.025,18.725 R43.2@22.35,18.725
OA2_IN+: R67.1 U1.27 | length 2.8
  Bottom Layer w0.2: R67.1@7.2,17.825 7.75,17.825 7.95,17.625 7.95,16.878 8.203,16.625 U1.27@9.1,16.625
OA2_IN-: C28.1 R63.1 R65.1 U1.26 | length 4.7
  Bottom Layer w0.2: R63.1@5.76,15.25 C28.1@7.185,15.25 7.2,15.265 R65.1@7.2,16.485 ; R65.1@7.2,16.5 R65.1@7.2,16.485 ; U1.26@9.1,16.125 8.067,16.125 7.707,16.485 R65.1@7.2,16.485
OA2_OUT: C28.2 R63.2 U1.25 | length 4.8
  Bottom Layer w0.2: R63.2@5.76,13.65 C28.2@7.185,13.65 7.235,13.65 7.985,14.4 7.985,15.454 8.156,15.625 U1.25@9.1,15.625
OA3_IN+: R73.1 U1.16 | length 5.4
  Bottom Layer w0.2: U1.16@14.55,14.175 14.55,13.114 15.55,12.114 R73.1@15.55,9.2
OA3_IN-: C39.1 R69.1 R71.1 U1.15 | length 7.5
  Bottom Layer w0.2: U1.15@15.05,14.175 15.05,13.25 15.725,12.575 16.865,12.575 17.665,11.775 R69.1@18.35,11.775 C39.1@18.35,10.475 18.35,9.3 R71.1@18.45,9.2
OA3_OUT: C39.2 R69.2 U1.12 | length 7.2
  Bottom Layer w0.2: U1.12@17.5,15.625 19.317,15.625 19.95,14.992 19.95,12.575 R69.2@19.95,11.775 C39.2@19.95,10.475
PGEC: J2.5 U1.34 | length 25.4
  Top Layer w0.2: v1@6.712,20.826 v1(6.725,20.826)
  Signal Layer 2 w0.2: J2.5@1.75,1.67 5.95,5.87 5.95,14.85 8.45,17.35 8.45,19.2 6.824,20.826 v1(6.725,20.826)
  Bottom Layer w0.2: v1(6.725,20.826) 6.88,20.826 7.581,20.125 U1.34@9.1,20.125
PGED: J2.4 U1.33 | length 20.1
  Top Layer w0.2: v1@6.723,19.748 v1(6.813,19.748)
  Signal Layer 2 w0.2: J2.4@1.75,4.21 3.25,5.71 3.25,16.184 v1(6.813,19.748)
  Bottom Layer w0.2: v1(6.813,19.748) 6.876,19.81 7.041,19.81 7.226,19.625 U1.33@9.1,19.625
PHA: C18.1 D5.2 R13.1 U5.4 | length 6.6
  Top Layer w0.5: D5.2@24.65,36.475 27.025,36.475 R13.1@27.075,36.425 27.1,36.4 U5.4@27.1,34.405 27.105,34.4 28.465,34.4 C18.1@28.975,33.89
PHB: C35.1 D15.2 R14.1 U6.4 | length 6.7
  Top Layer w0.5: R14.1@26.6,28.839 26.6,26.999 U6.4@27.05,26.999 27.529,26.999 27.89,26.638 C35.1@28.95,26.638 31.162,26.638 D15.2@31.25,26.55
PHC: C37.1 D16.2 R15.1 U7.4 | length 6.2
  Top Layer w0.5: R15.1@26.9,20.325 26.9,18.655 U7.4@26.925,18.63 28.658,18.63 C37.1@28.775,18.747 30.778,18.747 D16.2@31.175,18.35
PWM1H: PWM1H.1 U1.1 U7.5 | length 9
  Top Layer w0.25: PWM1H.1@19.513,23.25 19.513,23.237 21.525,21.225 U7.5@21.525,18.63
  Bottom Layer w0.2: U1.1@17.5,21.125 18.45,21.125 18.675,21.35 18.675,22.412 PWM1H.1@19.513,23.25
PWM1L: PWM1L.1 U1.2 U7.6 | length 8.1
  Top Layer w0.25: PWM1L.1@19.675,21.225 19.832,21.225 20.875,20.182 20.875,19.425 20.375,18.925 20.375,17.592 20.607,17.36 U7.6@21.525,17.36
  Bottom Layer w0.2: U1.2@17.5,20.625 18.685,20.625 19.285,21.225 PWM1L.1@19.675,21.225
PWM2H: PWM2H.1 U1.47 U6.5 | length 10.6
  Top Layer w0.2: PWM2H.1@16.925,27.6 17.526,26.999 U6.5@21.65,26.999
  Bottom Layer w0.2: U1.47@15.55,22.575 15.55,26.225 PWM2H.1@16.925,27.6
PWM2L: PWM2L.1 U1.48 U6.6 | length 8.3
  Top Layer w0.2: PWM2L.1@16.925,25.749 16.946,25.729 U6.6@21.65,25.729
  Bottom Layer w0.2: U1.48@16.05,22.575 16.05,24.874 PWM2L.1@16.925,25.749
PWM3H: PWM3H.1 U1.45 U5.5 | length 18.2
  Top Layer w0.25: PWM3H.1@15.825,34.405 U5.5@21.7,34.405
  Bottom Layer w0.2: U1.45@14.55,22.575 14.55,33.13 PWM3H.1@15.825,34.405
PWM3L: PWM3L.1 U1.46 U5.6 | length 16.4
  Top Layer w0.25: PWM3L.1@15.825,32.6 16.36,33.135 U5.6@21.7,33.135
  Bottom Layer w0.2: U1.46@15.05,22.575 15.05,31.825 PWM3L.1@15.825,32.6
SCL: J4.4 R78.1 U1.36 | length 12
  Signal Layer 1 w0.2: J4.4@2.26,25.36 3.561,24.059 5.839,24.059 7.198,22.7 v1(7.236,22.7)
  Bottom Layer w0.2: R78.1@6.891,25.55 6.891,23.046 7.298,22.638 7.298,21.902 8.075,21.125 U1.36@9.1,21.125
SDA: J4.5 R79.1 U1.37 | length 14.8
  Signal Layer 1 w0.2: J4.5@1.65,22.73 2.35,22.73 3.533,21.547 8.447,21.547 9.6,22.7 v1(9.6,24.059)
  Bottom Layer w0.2: R79.1@8.203,25.55 8.203,24.766 8.911,24.059 v1(9.6,24.059) 9.691,24.059 9.75,24 10.013,24 10.55,23.463 U1.37@10.55,22.575
SW_12V: Q8.1 R83.2 U1.41 | length 21.6
  Bottom Layer w0.2: U1.41@12.55,22.575 12.55,24.488
  Bottom Layer w0.3: 12.55,24.488 12.55,36.927 13.728,38.104 13.728,39 Q8.1@14.878,40.15
  Bottom Layer w0.5: Q8.1@14.878,40.15 15.078,40.15 15.328,40.4 15.328,40.478 16,41.15 R83.2@16,42.6
TEMPERATURE: C49.1 R76.1 TH1.2 U1.7 | length 12.8
  Top Layer w0.2: v1(16.093,18.15) 18.268,18.15 C49.1@19.571,16.847 20.129,16.289 20.129,14.68 20.127,14.678 ; TH1.2@18.55,14.678 20.127,14.678 ; R76.1@19.35,11.6 20.129,12.379 20.129,13.459 ; 20.127,13.461 20.127,14.678
  Bottom Layer w0.2: v1(16.093,18.15) 16.118,18.125 U1.7@17.5,18.125